# KiCad board Home Assistant Voice PE.kicad_pcb (continued)
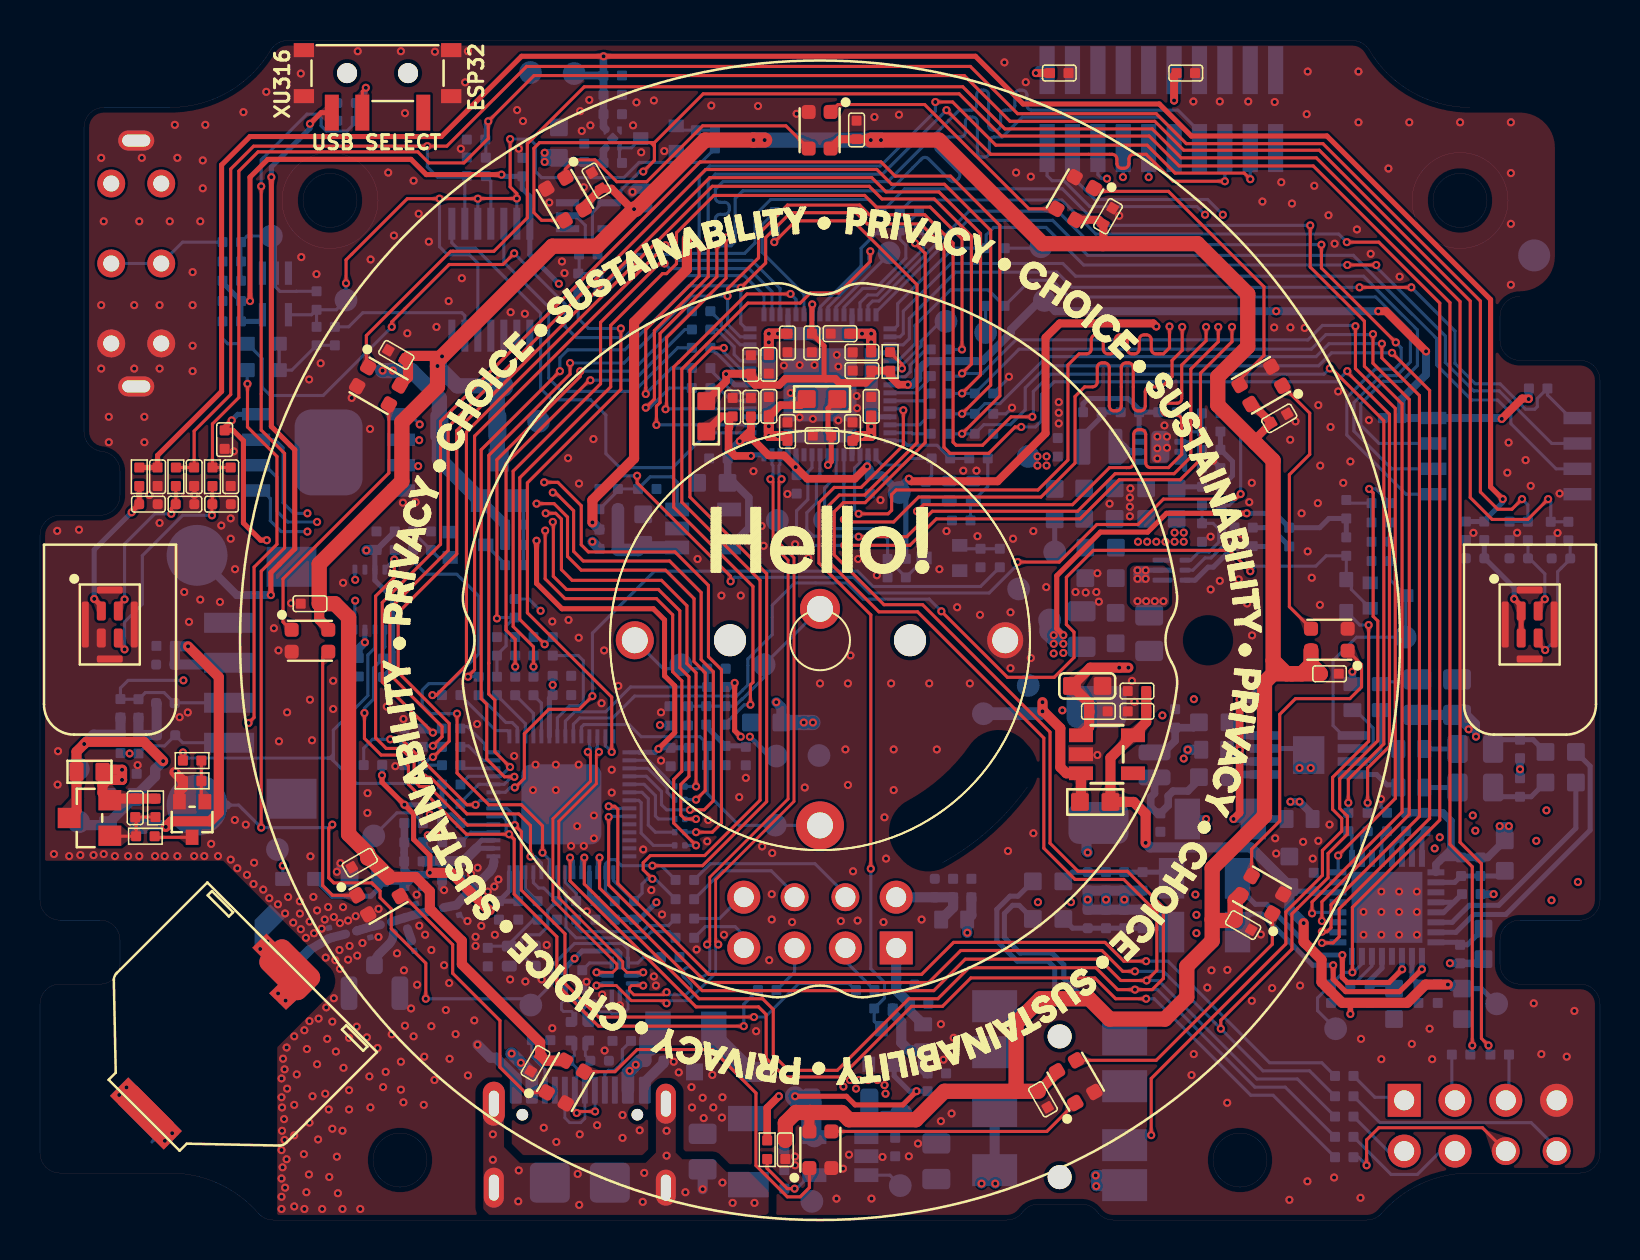
[diagram p0: board, top side]
## Routing (per net, layer and track width the routed paths; a pad name or vN(x,y) marks a point on that pad's centre or on a via; arc(x,y) is an arc through that point) (continued)
  Top w0.156: v1(20.85,25.33) 20.85,22.36 22.44,20.77 24.07,20.77 25.12,19.72 v1(25.12,18.38)
  Bottom w0.156: R124.1 18.65,32.96 19.31,32.3 20.84,32.3 21.94,31.2 21.94,28.32 20.44,26.83 19.43,26.83 19.11,26.5 19.11,25.75 19.53,25.33 v1(20.85,25.33) 20.84,25.34 ; v1(25.12,18.38) 25.47,18.03 U1.51
XMOS_USB_N: length 35.7
  Top w0.142: v1(37.08,37.06) 36.95,36.93 36.95,33.88 37.7,33.12 37.7,20.94 33.78,17.02 33.78,13.91 v1(33.91,13.78) ; v1(31.33,10.84) 31.2,10.97 29.57,10.97 28.81,11.73 v1(27.82,11.73)
  Bottom w0.142: v1(27.82,11.73) 27.93,11.83 U17.6 ; 36.95,37.32 37.08,37.19 ; v1(33.91,13.78) 33.78,13.65 33.78,12.35 32.41,10.97 31.46,10.97 v1(31.33,10.84) ; 36.95,38.22 U2.28 37,37.79 36.95,37.74 36.95,37.19
XMOS_USB_P: length 35.7
  Top w0.142: v1(31.33,11.4) 31.2,11.27 29.7,11.27 29.48,11.49 29.48,11.63 29.58,11.73 v1(30.16,11.73) ; v1(36.52,37.06) 36.65,36.93 36.65,33.76 37.41,33 37.41,21.06 33.49,17.14 33.49,13.91 v1(33.36,13.78)
  Bottom w0.142: 36.65,37.32 36.52,37.19 ; v1(31.33,11.4) 31.46,11.27 32.28,11.27 32.51,11.49 arc(32.58,11.66) 32.51,11.83 32.17,12.16 arc(32.1,12.33) 32.17,12.5 32.26,12.58 arc(32.43,12.65) 32.6,12.58 32.93,12.25 arc(33.1,12.18) 33.27,12.25 33.49,12.47 33.49,13.65 v1(33.36,13.78) ; v1(30.16,11.73) 30.06,11.83 U17.2 ; 36.65,38.22 U2.29 36.6,37.79 36.65,37.74 36.65,37.19
XU316_RST: length 33.8
  Top w0.156: v1(23.74,21.63) 23.76,21.63 24.22,22.09 24.22,24.33 25.44,25.55 26.96,25.55 v1(27.62,26.21)
  Bottom w0.156: v1(23.74,21.63) 23.51,21.63 23.27,21.39 U1.9 ; v1(27.62,26.21) 27.62,29.36 30.72,32.45 40.88,32.45 41.64,31.69 47.03,31.69 R63.2
XU316_WS2812: length 11.9
  Bottom w0.156: U2.48 37,46.6 35.6,48 31.89,48 31.58,48.3 29.81,48.3 27.93,46.42 R113.1
Net-(USB1-A4/B9/VBUS): length 13.2
  In2.PWR w0.635: v1(29.79,7.77) 29.05,7.03 24.88,7.03 v1(23.58,8.32)
  Bottom w0.635: 30.47,8.71 30.26,8.5 D8.2 29.99,7.97 v1(29.79,7.77) v1(29.48,7.46) 29.39,7.37 USB1.A4_B9 ; USB1.B4_A9 24.59,7.31 v1(23.58,8.32)
  Bottom w1.016: 31.02,9.54 30.47,8.98 30.47,8.71
  vias: v1(24.04,7.86)
Net-(ANT1-D): length 1.9
  Bottom w0.45: ANT1.1 16.73,12.85 arc(16.8,13.1) 16.96,13.3 17.45,13.8 arc(17.62,14.05) 17.68,14.35
Net-(ANT2-Pad1): length 3.4
  Bottom w0.45: 13.47,13.51 14.41,14.06 14.6,14.13 L3.2
  Bottom w0.5: 13.47,13.51 ANT2.1 12.49,12.47
  vias: v2(11.01,13.56) v2(11.37,13.94) v2(11.9,11.33) v2(12.28,10.98)
Net-(C2-Pad1): length 3.5
  Bottom w0.156: C2.1 46.52,35.83 X1.3 47.39,36.69 R4.2
Net-(C19-Pad2): length 1.6
  Bottom w0.254: 69.28,23.56 C19.2
Net-(C20-Pad2): length 1.7
  Bottom w0.254: R20.1 C20.2
Net-(C21-Pad2): length 1.9
  Bottom w0.156: C21.2 68.74,26.92 67.04,26.92
Net-(C25-Pad1): length 4.5
  Bottom w0.508: 42.81,13.76 42.81,11.78 D16.2 42.8,11.5 C25.1 43.49,10.45 FB1.2
Net-(C30-Pad1): length 4.3
  Bottom w0.508: FB13.1 45.65,15.63 C30.1 D5.2 42.97,16.14 42.81,16.3
Net-(C42-Pad1): length 1.2
  Bottom w0.45: R127.2 16.69,14.7 C42.1 16.23,14.58 16.05,14.53 15.91,14.48 15.85,14.47 15.84,14.45
Net-(C59-Pad1): length 3.3
  Bottom w0.156: X2.1 22.48,13.7 C59.1 ; X2.1 23.46,13.87 ; X2.1 23.46,13.81 24.67,15.02 R34.2
Net-(C64-Pad1): length 2.2
  Bottom w0.254: R46.2 60.64,34.63 R44.1 62.46,33.71
Net-(C100-Pad1): length 17.7
  Top w0.508: v1(6.29,19.66) 6.57,19.94 8.51,19.94 8.94,20.38 8.94,27.16 v1(7.4,28.7)
  Bottom w0.508: v1(7.4,28.7) 6.77,28.7 C100.1 6.75,27.8 D21.2 9.37,27.79 J4.3 ; v1(6.29,19.66) 6.2,19.75 FB11.2
Net-(C102-Pad1): length 0.6
  Bottom w0.45: C102.1 18.37,14.56
Net-(C111-Pad1): length 5.6
  Bottom w0.254: 56.58,14.6 56.57,14.6 D2.2 51.63,14.6 FB3.1
Net-(C120-Pad1): length 3.1
  Bottom w0.254: C19.1 73.12,24.03 C120.1 74.66,24.03 R99.2
Net-(C121-Pad1): length 3.1
  Bottom w0.254: R100.2 74.55,21.17 C121.1 73.12,21.17 C20.1
Net-(C125-Pad1): length 5.6
  Bottom w0.254: 56.58,17.3 56.47,17.4 R19.2 D3.2 51.63,17.4 FB2.1
Net-(D13-Pad2): length 4.8
  Bottom w0.156: R138.1 R139.1 12.59,42.51 D20.2 D13.2 12.07,43.73
Net-(FB2-Pad2): length 12.9
  Bottom w0.254: FB2.2 48.9,16.2 48.5,16.2 47.84,15.54 47.84,13.96 48.86,12.95 50.4,12.95 50.73,12.62 50.73,11.4 J1.3
Net-(FB3-Pad2): length 12
  Bottom w0.254: FB3.2 49.64,15.06 48.96,15.74 48.63,15.74 48.22,15.33 48.22,14.14 49.01,13.35 50.61,13.35 51.19,12.77 51.19,12.09 J1.4 ; 53.83,9.54 54.23,9.54
Net-(J3-Pad2): length 2.7
  Bottom w0.156: R83.2 40.27,12.95 J3.2 40.28,13.6 ; 40.28,13.75 40.27,13.76
Net-(J3-Pad3): length 2.5
  Bottom w0.156: 37.74,13.6 J3.3 37.73,12.41 R84.2 ; 37.74,13.75 37.73,13.76
Net-(J3-Pad4): length 3.5
  Bottom w0.156: R85.2 33.27,14.68 34.76,14.68 35.19,14.24 J3.4
Net-(J3-Pad5): length 3
  Bottom w0.156: 35.19,16.3 33.97,15.08 R90.1
Net-(J3-Pad6): length 6.1
  Bottom w0.156: R88.1 34.13,17.47 36.56,17.47 37.73,16.3
Net-(J3-Pad7): length 8.5
  Bottom w0.156: 40.27,16.3 38.75,17.82 33.52,17.82 R86.1
Net-(J6-Pad1): length 3
  Bottom w0.156: R91.2 66.74,6.14 68.21,6.14
Net-(J6-Pad2): length 2.2
  Bottom w0.156: R131.2 70.59,6.3 70.75,6.14
Net-(J6-Pad3): length 2.2
  Bottom w0.156: R132.2 73.45,6.3 73.29,6.14
Net-(J6-Pad5): length 11.2
  Bottom w0.156: R136.1 67,4.87 74.56,4.87 75.83,3.6
Net-(J6-Pad6): length 9.8
  Top w0.156: v1(66.33,2.74) 66.33,4.01 66.94,4.62 72.12,4.62 J6.6
  Bottom w0.156: v1(66.33,2.74) 65.92,3.14 R135.1
Net-(J6-Pad7): length 6.3
  Bottom w0.156: R134.1 67.55,2.28 68.87,2.28 70.04,3.45 J6.7
Net-(J6-Pad8): length 3.3
  Bottom w0.156: J6.8 67.4,3.45 R133.1
Net-(LED1-DO): length 14.9
  Top w0.156: LED2.3 37.3,54.73 33.13,54.73 30.34,51.94 28.84,51.94 27.75,53.03 26.73,53.03 26.27,52.56 LED1.1
Net-(LED2-DO): length 13.6
  Top w0.156: LED2.1 39.9,55.8 44.23,55.8 49.45,50.58 LED3.3
Net-(LED3-DO): length 16
  Top w0.156: LED4.3 59.98,42.03 61.2,43.25 61.2,46.68 56.42,51.45 52.85,51.45 LED3.1
Net-(LED4-DO): length 13.6
  Top w0.156: LED5.3 63.55,29.59 62.47,30.68 62.47,37.28 63.49,38.3 63.49,40.36 LED4.1
Net-(LED5-DO): length 15.4
  Top w0.156: LED5.1 66.08,27.78 66.08,26.66 65.49,26.08 62.77,26.08 61.99,25.29 61.99,19.96 60.58,18.55 LED6.3
Net-(LED6-DO): length 13.8
  Top w0.156: LED7.3 55.81,7.99 61.62,13.79 LED6.1
Net-(LED7-DO): length 12.8
  Top w0.156: LED8.3 50.34,4.43 LED7.1
Net-(LED8-DO): length 18.1
  Top w0.156: LED9.3 28.75,7.42 29.86,8.53 33.62,8.53 35.8,6.35 35.8,2.73 37.37,1.16 38.01,1.16 38.47,1.62 LED8.1
Net-(LED10-DI): length 13.6
  Top w0.156: LED10.3 18.2,16.2 20.63,13.77 20.63,12.34 23,9.98 23,7.64 24.25,6.38 LED9.1
Net-(LED10-DO): length 13.7
  Top w0.156: LED10.1 14.62,16.24 14.13,16.73 14.13,28.16 14.4,28.42 LED11.3
Net-(LED11-DO): length 13.7
  Top w0.156: LED12.3 17.44,37.37 12.15,32.07 12.15,29.92 12.54,29.52 LED11.1
Net-(Q1-G): length 3.4
  Bottom w0.156: Q1.1 24.18,35.63 R119.1 C146.2 R120.2
Net-(Q3-G): length 2.1
  Bottom w0.156: R63.1 R29.2 46.16,33.58 Q3.1
Net-(Q4-B): length 2
  Bottom w0.156: Q4.1 32.03,54.51 C103.1 32.8,54.52 R12.2
Net-(Q4-C): length 2.1
  Bottom w0.156: R28.1 28.97,53 U18.3 29.57,53.63 Q4.3
Net-(Q5-G): length 3.3
  Top w0.156: Q5.1 3.52,19.2 R137.2 4.81,20.11 C32.2 R40.1
Net-(Q6-D): length 1.4
  Bottom w0.156: R120.1 23.25,32.81 Q6.3
Net-(Q6-G): length 2.4
  Bottom w0.156: Q6.1 19.92,33.14 R122.2 18.65,34.4 R124.2
Net-(Q7-D): length 1.9
  Top w0.156: Q7.3 5.78,19.14 R137.1
Net-(Q7-G): length 2.1
  Top w0.156: Q7.1 8.07,21.1 R117.2 R67.2
Net-(R25-Pad2): length 2.3
  Bottom w0.156: R25.2 R36.2 65.47,35.86 R37.2
Net-(TP5-T): length 1.9
  Bottom w0.156: U13.3 42.49,2.24 TP5.1
Net-(TP28-T): length 8.4
  Bottom w0.156: R10.1 R66.1 10.35,49.22 TP28.1 11.77,49.02 U14.2 11.77,46.68 12,46.45 12.81,46.45 12.82,46.46 R114.1
Net-(TP29-T): length 10
  Bottom w0.156: SW2.NO 36.21,27.78 36.21,27.15 35.12,26.06 35.1,26.06 34.74,25.7 R125.2 R115.1 32.41,25.7 C131.1 R111.2
Net-(U1-GPIO7): length 1.7
  Bottom w0.156: R93.2 21.18,22.59 U1.12
Net-(U1-GPIO8): length 1.9
  Bottom w0.156: 21.02,23.72 21.42,23.72 22.15,22.99 U1.13
Net-(U1-GPIO9): length 2.3
  Bottom w0.156: U1.14 22.41,23.39 22.24,23.56 22.24,23.82 21.37,24.68 21.01,24.68
Net-(U1-GPIO10): length 3.4
  Bottom w0.156: U1.15 23.47,24.36 23.35,24.48 22.79,24.48 21.02,26.25 R96.2
Net-(U1-GPIO11): length 3
  Bottom w0.156: U1.16 23.87,24.62 23.61,24.89 23.3,24.89 R97.2
Net-(U1-GPIO12): length 2.6
  Bottom w0.156: U1.17 24.27,24.83 R9.2
Net-(U1-GPIO13): length 2.4
  Bottom w0.156: U1.18 24.67,25.35 23.77,26.25 R92.2
Net-(U1-GPIO14): length 2.2
  Bottom w0.156: U1.19 25.07,25.86 R101.2
Net-(U1-SPICLK/CLK): length 3.6
  Bottom w0.156: U1.33 30.2,21.79 30.77,21.23 30.77,20.21 30.92,20.06 R74.1
Net-(U1-SPID/DQ0): length 4.1
  Bottom w0.156: R81.1 30.67,18.74 30.06,19.35 30.06,20.87 29.94,20.99 U1.35
Net-(U1-SPIHD/DQ3): length 2.8
  Bottom w0.156: R68.1 31.73,21.69 30.43,22.99 U1.30
Net-(U1-SPIQ/DQ1): length 3.9
  Bottom w0.156: U1.34 30.1,21.39 30.41,21.08 30.41,19.75 30.77,19.4 R76.1
Net-(U1-SPIWP/DQ2): length 3
  Bottom w0.156: U1.31 30.4,22.59 31.36,21.63 31.36,21.4 R69.1
Net-(U1-U0TXD): length 1.7
  Bottom w0.156: R87.1 26.81,16.35 26.27,16.89 U1.49
Net-(U1-VDD3P3@1): length 7.2
  Bottom w0.254: 21.68,18.59 U1.2 ; 19.19,17.93 C95.1 C7.1 ; U1.3 22.08,18.99 21.5,18.41
  Bottom w0.508: 21.83,18.59 21.17,17.93 C7.1 21,17.95 19.21,17.95 19.19,17.93
Net-(U1-XTAL_32K_P): length 6.3
  Bottom w0.156: R102.2 26.91,28.23 27.16,27.98 27.16,25.9 26.99,25.72 26.48,25.72 25.87,25.12 U1.21
Net-(U1-XTAL_N): length 6.7
  Bottom w0.156: U1.53 24.67,16.87 24.94,16.6 25.19,16.6 C77.1 25.39,15.49 25.39,14.68 24.98,14.27 24.32,14.27 24.08,14.03 24.08,13.28 X2.3
Net-(U1-XTAL_P): length 1.7
  Bottom w0.156: U1.54 24.27,16.56 R34.1
Net-(U2-PLL_AVDD): length 4.1
  Top w0.25: v1(39.4,37.77) 39.56,37.93 C41.1 39.4,39.4 39.4,40.6 FB6.1
  Bottom w0.25: U2.22 v1(39.4,37.77)
Net-(U2-X0D11): length 2.8
  Bottom w0.156: R103.1 44.29,43.54 43.51,42.76 43.51,42.42 43.26,42.18 U2.7
Net-(U2-X0D35): length 2.9
  Bottom w0.156: R104.1 33.84,44.54 34.71,43.68 34.71,43.29 35.02,42.98 U2.41
Net-(U2-X0D36): length 2.8
  Bottom w0.156: R105.1 34.06,44.92 34.06,44.73 35.01,43.78 U2.43
Net-(U2-X1D00): length 2.4
  Bottom w0.156: R60.1 44.54,42.14 43.78,41.38 U2.9
Net-(U2-X1D01): length 2.2
  Bottom w0.156: R70.1 44.17,40.98 U2.10
Net-(U2-X1D10): length 2.3
  Bottom w0.156: U2.13 43.98,39.78 R71.1
Net-(U2-X1D11): length 2.1
  Bottom w0.156: U2.14 43.59,39.38 43.63,39.33 R72.1
Net-(U2-X1D18): length 2.3
  Bottom w0.156: U2.36 34.57,40.98 33.93,41.61 R32.1 33.52,41.61
Net-(U2-X1D19): length 2.6
  Bottom w0.156: 35.44,41.32 U2.37 34.67,41.38 33.52,42.52 R33.1
Net-(U2-X1D22): length 2.6
  Bottom w0.156: U2.39 35.02,42.18 33.82,43.38 33.77,43.38 R2.1
Net-(U2-X1D34): length 5.5
  Bottom w0.156: 42.02,49.5 41.94,49.5 41.06,48.61 41.06,47.72 39,45.66 U2.53
Net-(U2-XIN): length 6
  Bottom w0.156: R3.2 44.58,37.23 C3.1 45.42,36.93 X1.1 ; R3.2 43.47,38.09 43.14,37.76 42.1,37.76 41.8,38.06 U2.16 ; R3.2 44.43,38.25
Net-(U2-XOUT): length 4.3
  Bottom w0.156: R4.1 R3.1 44.85,38.75 43.37,38.75 43.15,38.98 U2.15
Net-(U4-CLK): length 6.9
  Top w0.156: U4.3 74.91,28.86 v1(75.26,28.51)
  Bottom w0.156: R109.2 76.51,33.91 D1.2 ; 76.45,33.15 D1.2 ; D1.2 76.5,33.09 ; D1.2 76.56,33.09 ; D1.2 76.51,33.06 75.88,32.43 75.88,29.13 v1(75.26,28.51)
Net-(U4-DATA): length 4.1
  Top w0.156: U4.4 74.91,30.72 v1(75.24,31.05)
  Bottom w0.156: v1(75.24,31.05) 75.24,32.32 74.47,33.1 D4.2 ; 74.39,33.09 D4.2 ; D4.2 74.4,34 R6.2
Net-(U4-L/R): length 5.8
  Top w0.254: U4.2 U4.1 74.06,30.71 v1(73.71,31.06) 73.71,31.15
  Bottom w0.254: 72.21,33.09 D10.2 ; D10.2 72.22,34.01 R110.1 ; D10.2 72.24,33.1 73.71,31.63 v1(73.71,31.06)
Net-(U5-CLK): length 11.5
  Top w0.156: v1(4.23,28.54) 3.92,28.85 U5.3 ; R5.2 8.62,36.71 D18.2 8.6,35.79 v1(8.6,35.25)
  Bottom w0.156: v1(8.6,35.25) 7.14,35.25 5.12,33.23 5.12,30.8 4.23,29.91 v1(4.23,28.54)
Net-(U5-DATA): length 8
  Top w0.156: 3.92,30.55 U5.4 3.92,30.73 v1(4.23,31.04) ; R112.2 6.79,35.81 D19.2 6.56,35.58 v1(6.56,35.32)
  Bottom w0.156: v1(4.23,31.04) 4.23,33.81 5.74,35.32 v1(6.56,35.32)
Net-(U5-VDD): length 7.3
  Top w0.254: v1(4.58,35.4) 4.58,35.43 D12.2 4.96,35.81 R30.1 ; U5.1 3.07,30.71 v1(2.71,31.07)
  Bottom w0.254: v1(2.71,31.07) 2.71,33.53 v1(4.58,35.4)
Net-(U6-2Y): length 7.9
  Bottom w0.156: R138.2 15.43,44.68 16.14,45.38 21.09,45.38 21.24,45.24 U6.6
Net-(U6-4Y): length 2.5
  Bottom w0.156: U6.11 22.54,51.97 R8.2
Net-(U7-A): length 4.7
  Bottom w0.156: U7.2 26.78,50.23 27.27,49.75 27.27,48.61 R107.1 26.96,47.39 R38.2 R113.2
Net-(U8-AVDD): length 2.8
  Bottom w0.254: U8.24 70.88,13.89 C33.1 71.36,13.77 C34.1
Net-(U8-DVDD): length 3
  Bottom w0.254: U8.29 67.1,12.6 66.48,11.98 C37.1 67.49,11.78 C38.1
Net-(U8-HPL): length 12.9
  Top w0.254: v1(64.66,12.74) 64.66,12.05 65.28,11.42 67.98,11.42 v1(69.1,12.54)
  Bottom w0.254: C16.1 59.88,14.67 60.51,15.31 61.07,15.31 63.64,12.74 v1(64.66,12.74) ; v1(69.1,12.54) U8.25
Net-(U8-HPR): length 12.2
  Top w0.254: v1(65.12,13.25) 65.12,12.13 65.37,11.88 67.45,11.88 v1(68.11,12.54)
  Bottom w0.254: C15.1 59.88,16.68 60.77,15.79 61.33,15.79 63.87,13.25 v1(65.12,13.25) ; U8.27 68.1,12.55 v1(68.11,12.54)
Net-(U8-IN1_L): length 3.1
  Bottom w0.254: U8.13 67.6,18.73 C88.1 68.1,19.23 U8.14
Net-(U8-IN2_L): length 3.1
  Bottom w0.254: U8.16 69.1,19.26 C89.1 68.6,18.76 U8.15
Net-(U8-IN3_L): length 3.2
  Bottom w0.254: U8.21 70.19,15.39 C119.1 70.69,15.89 U8.20
Net-(U8-LDO__SELECT): length 1.9
  Bottom w0.156: R23.1 65.68,11.78 66.6,12.71 U8.30
Net-(U8-LOL): length 11.2
  Bottom w0.254: R100.1 76.8,19.6 72.93,15.74 71.46,15.74 70.61,14.89 U8.22
Net-(U8-LOR): length 14
  Bottom w0.254: R99.1 77.51,22.7 77.51,19.5 73.29,15.28 71.69,15.28 70.8,14.39 U8.23
Net-(U8-REF): length 3.7
  Bottom w0.254: C14.1 72.98,17.21 C87.1 C13.1 70.74,16.89 U8.18
Net-(U8-SCL/~{SS}): length 1.4
  Bottom w0.156: R16.2 65.6,19.26 U8.9
Net-(U8-SDA/MOSI): length 1.5
  Bottom w0.156: R17.2 66.1,19.16 U8.10
Net-(U8-SPI__SELECT): length 1.5
  Bottom w0.156: U8.12 67.1,19.19 R15.2
Net-(U9-BYPASS): length 3.3
  Bottom w0.156: C22.2 65.76,25.51 66.66,24.61 66.66,23.82 66.42,23.58 U9.2
Net-(U9-IN+): length 3.5
  Bottom w0.156: U9.3 66.46,22.93 67.04,23.51 67.04,25.39
Net-(U9-IN-): length 4.3
  Bottom w0.254: U9.4 66.83,22.28 67.35,21.77 67.78,21.77 R20.2 67.92,23.4
Net-(U9-VO+): length 1.8
  Bottom w0.381: U9.5 59.6,22.28 FB5.1
Net-(U9-VO-): length 2
  Bottom w0.381: U9.8 60.13,24.23 FB4.1
Net-(U10-FB): length 5.1
  Bottom w0.254: 59.83,33.62 R47.2 ; R47.2 59.75,33.69 C64.2 ; R47.2 58.66,32.66 58.41,32.66 57.75,32.01 U10.3
Net-(U10-LX): length 3
  Bottom w0.254: U10.5 55.29,32.51 v1(55.29,32.5)
  Bottom w0.381: v1(55.28,32.07) v1(54.88,32.07) 54.88,32.3 ; v1(55.28,32.07) 55.28,32.5 v1(55.29,32.5) ; v1(55.28,32.07) 55.05,32.3 54.88,32.3 ; 54.88,32.3 54.88,32.5 v1(54.88,32.5)
  Bottom w0.406: v1(55.29,32.5) v1(54.88,32.5)
  vias: v1(54.88,30.96) v1(55.31,30.96) v1(55.74,30.96) v1(56.17,30.96)
Net-(U11-EN): length 6.1
  Bottom w0.156: U11.3 31.86,36.9 31.58,37.18 30.51,37.18 C61.1 R13.2 28.9,36.48 R48.2
Net-(U11-IN): length 5.1
  Bottom w0.635: U11.1 30.3,33.64 C68.1 29.91,33.52 28.9,33.52 ; R78.2 R48.1
Net-(U12-EN): length 2
  Bottom w0.156: U12.5 58.08,39.43 R14.2 R80.2
Net-(U12-FB): length 5.7
  Bottom w0.254: R55.2 C74.2 ; C74.2 54.96,40.54 54.41,41.09 52.41,41.09 52.15,40.83 R54.1 ; C74.2 54.96,39.49 U12.4
Net-(U12-MODE): length 2.2
  Bottom w0.156: R53.2 R45.2 57.69,38.93 U12.6
Net-(U12-SW): length 3.3
  Bottom w0.381: U12.2 54.44,38.43 ; 54.44,38.43 54.01,37.99 ; 54.44,38.43 54.02,38.43 L2.1 54.19,38.68 ; 54.44,38.43 54.19,38.68 ; 54.19,38.68 53.83,39.04
Net-(U13-EN): length 4
  Top w0.156: v1(37.73,1.57) 37.37,1.57 36.36,2.58 R64.1
  Bottom w0.156: U13.4 38.51,2.24 37.83,1.57 v1(37.73,1.57) C79.1
Net-(U17-~{OE}): length 1.6
  Bottom w0.156: R49.2 27.48,12.86 U17.8
Net-(U20-B1): length 21.4
  In2.PWR w0.156: v1(15.76,30.98) 11.77,26.99 v1(7.17,26.99)
  Bottom w0.156: U20.8 15.75,30.97 v1(15.76,30.98) ; v1(7.17,26.99) 4.41,26.99 4.02,26.61 R144.1 4.03,26.05 C99.1 4.94,26.05 5.27,26.38 6.2,26.38 D17.2 6.75,25.87 J4.2
Net-(U20-B2): length 22.7
  In2.PWR w0.156: v1(15.76,32.02) 16.17,31.61 16.17,30.7 12.1,26.64 7.78,26.64 v1(4.48,23.34)
  Bottom w0.156: J4.1 7.13,23.87 D15.2 6.23,23.72 5.3,23.72 C98.1 v1(4.48,23.34) 4.46,23.36 R145.1 ; U20.1 15.75,32.04 v1(15.76,32.02)
Net-(USB1-A5/CC1): length 3.2
  Bottom w0.156: USB1.A5 28.24,7.31 28.41,7.49 28.74,7.49 29.12,7.87 29.12,8.53 R43.2
Net-(USB1-B5/CC2): length 2.8
  Bottom w0.156: R42.2 24.59,8.19 25.24,7.55 USB1.B5
unconnected-(ANT2-Pad2): length 3
  Bottom w0.156: 5.6,3.91 5.68,3.98 5.68,4.99 5.31,5.36 5.85,4.82 5.85,4.27 ; 5.3,5.34 5.35,5.39
  vias: v2(3.96,6.25) v2(4.32,6.63) v2(6.24,3.96) v2(6.61,4.34)

## Copper pours and planes (outline as drawn; the poured copper is in the pictures)
0.9V on Bottom: 52.67,39.41 52.67,34.84 52.46,34.64 50.43,34.64 50.33,34.74 50.33,35.35 50.43,35.45 51.34,35.45 51.6,35.71 51.6,39.52 52.56,39.52
+3V3 on Bottom: 50.33,29.51 50.02,29.2 50.02,28.31 50.3,28.03 56.07,28.03 56.22,28.19 56.22,29.25 55.97,29.51
+3V3 on In2.PWR: 50.2,29.14 50.2,27.55 48.75,26.1 37.96,26.1 37.96,24.48 50.13,24.48 52.41,26.76 52.41,29.17 52.02,29.56 50.62,29.56
+5V on Bottom: 43.01,3.85 40.42,3.85 39.94,4.34 39.94,6.93 40.22,7.21 42.05,7.21 42.58,6.67 42.58,5.15 43.01,4.72
+5V on Bottom: 56.78,38.09 56.27,37.59 56.27,34.69 55.76,34.18 51.85,34.18 51.75,34.08 51.75,33.22 52.06,32.91 56.53,32.91 57.54,33.93 57.54,37.94 57.39,38.09
+5V on In2.PWR: 58.05,34.08 58.05,19.04 52,13 52,7.71 48.86,4.57 40.47,4.57 39.91,5.12 39.91,6.87 45.81,12.82 45.81,16.96 53.17,24.33 53.17,34 53.5,34.33 57.8,34.33
+5V on In2.PWR: 58.05,34.08 58.05,41.47 44.46,55.06 24.88,55.06 16.07,46.25 11.95,41.89 10.02,40.07 10.04,38.14 10.04,37.48 9.56,37.13 6.67,37.12 6.51,36.95 6.51,36.77 2.04,32.23 2.04,22.32 2.63,21.74 4.2,21.74 4.43,21.96 4.43,26.82 27.75,50.13 40.93,50.13 53.17,37.89 53.17,33.9 53.86,33.22 57.19,33.22
GND on Bottom (solid shape): 11.51,15.79 12.22,15.08 11.39,14.25 11.78,13.87 11.06,13.17 10.73,13.5 10.73,15
GND on Top, Bottom, In2.PWR, In3.GND: -4.18,59.48 79.64,59.48 79.64,-4.02 -4.18,-4.02
GND_SHELL on Top, Bottom, In2.PWR, In3.GND: 33.69,3.04 32.12,3.04 31.79,3.37 31.79,6.47 31.53,6.72 31.08,6.72 30.8,6.44 30.8,3.37 30.29,2.86 23.99,2.86 23.2,3.65 23.2,6.55 23,6.75 22.44,6.75 22.16,6.47 22.16,0.55 22.59,0.12 36.18,0.12 36.43,0.37 36.43,2.2 36.23,2.41 34.33,2.41
GNDA on Bottom: 47.94,3.68 47,3.68 45.86,2.53 44.11,2.53 44.11,-0.21 48.68,-0.21 48.91,0.02 48.91,2.71
GNDA on Bottom, In3.GND: 46.42,-1.28 56.02,-1.28 56.02,8.88 53.91,10.99 53.91,13.1 54.29,13.48 57.34,13.48 58.15,14.29 58.15,18.94 60.64,21.43 67.5,21.43 67.8,21.13 67.8,19.55 67.4,19.14 67.4,17.62 67.45,17.57 69.18,17.57 69.38,17.37 69.38,13.3 70.24,12.44 79.64,12.44 79.64,24.33 78.93,25.04 73.34,25.04 70.75,27.63 51.04,27.63 50.48,27.07 50.48,18.18 50.02,17.72 47.23,17.72 47.08,17.57 47.08,14.22 46.42,13.56
VBUS on Bottom: 36.89,4.23 36.69,4.39 36.69,5.78 36.46,6.04 35.22,6.04 35.01,6.24 35.01,7.64 35.32,7.92 37.58,7.92 38.49,7.54 38.87,6.67 38.87,5.58 38.34,5.1 37.93,5.1 37.78,4.95 37.78,4.41 37.6,4.23
VDD on Bottom: 51.34,36.16 51.34,38.3 51.19,38.45 49.36,38.45 49.11,38.19 49.11,37.59 49.62,37.08 49.92,37.08 50.07,36.92 50.07,36.11 50.18,36.01 51.19,36.01
VDD on In2.PWR: 50.28,38.8 44.38,38.8 42.05,41.14 42.05,45.66 41.74,45.97 36.26,45.97 35.95,45.66 35.95,40.07 36.26,39.77 40.73,39.77 43.72,36.77 50.28,36.77 50.63,37.13 50.63,38.45
ESP_3V3 on Bottom: 35.09,25.24 35.09,24.83 34.83,24.58 34.83,23.62 35.04,23.41 35.8,23.41 36,23.62 36,25.29 35.95,25.34 35.19,25.34
Net-(ANT2-Pad1) on Top (solid shape): 12.3,10.53 12.83,11.02 11.93,11.79 11.9,11.76 11.47,11.34
Net-(ANT2-Pad1) on Top (solid shape): 11.32,14.32 10.62,13.62 11.07,13.17 11.3,13.17 11.78,13.65 11.78,13.85
Net-(ANT2-Pad1) on Bottom (solid shape): 12.3,10.52 12.82,11.01 11.93,11.78 11.9,11.76 11.47,11.34
Net-(U10-LX) on Top: 54.65,32.73 54.49,32.58 54.49,30.85 54.7,30.65 56.27,30.65 56.45,30.83 56.45,32.48 56.2,32.73
Net-(U10-LX) on Bottom: 54.8,31.16 54.65,31.01 54.65,29.91 54.85,29.71 56.3,29.71 56.48,29.89 56.48,30.96 56.27,31.16
unconnected-(ANT2-Pad2) on Top (solid shape): 4.41,7.13 7.09,4.45 6.19,3.52 3.5,6.21 3.5,6.21
unconnected-(ANT2-Pad2) on Bottom (solid shape): 4.41,7.14 7.1,4.46 6.18,3.54 3.5,6.21 3.5,6.23
unconnected-(ANT2-Pad2) on Bottom: 3.16,6.55 5.76,3.95 5.07,3.27 3.86,3.27 2.66,3.76 2.16,4.97 2.16,7.64
unconnected-(ANT2-Pad2) on Bottom: 2.16,7.64 -0.25,10.52 -1.86,3.52 0.34,1.23 3.73,1.85 5.07,3.27

Small or netless copper shapes (teardrops, artwork), in the pictures only: 330 on Top, 1052 on Bottom, 42 on In2.PWR

## Text on the board
B.Silkscreen: TXD | RXD | 5V | 3V3 | - | + | SPEAKER | IO38 | IO01 | IO39 | IO02 | IO48 | IO40 | RGBIN | IO41 | RGBOUT | IO42 | GND | IO47 | SDA | SCL | MUTE | XU316 / DEBUG | USB C | GROVE
F.Silkscreen: USB SELECT | XU316 | ESP32 | 4 LAYER#- -1.6MM / LAYERS STACKUP | L2 INNER | L3 INNER | BOTTOM | PP | CORE | TOP | LAYER | MATERIAL | COPPER | THICKNESS | 1 OZ | 3.91mil | 0.5 OZ | 49.8mil | LAYER TYPE | ROUTING | W:6.16(L1-L2) | SINGLE 50ohm+/-10% | Line width(mil) | W:17.71(L1-L3) | DIFFERENCE 90ohm+/-10% | Line width/Space(mil) | IMPEDANCE | W:5.59/S:6 | SINGLE 100ohm+/-10% | W:5(L1-L3) | LAYERS LAMINATION & IMPEDANCE CONTROL
